# Altium PCB AD637.PcbDoc
Units mm, origin at the board's own origin, x right, y up, seen from the top; angles counter-clockwise.
Board outline 53 x 44 mm, 2 copper layers (Top Layer, Bottom Layer); 21 components, 13 nets, 60 pads, 11 vias.
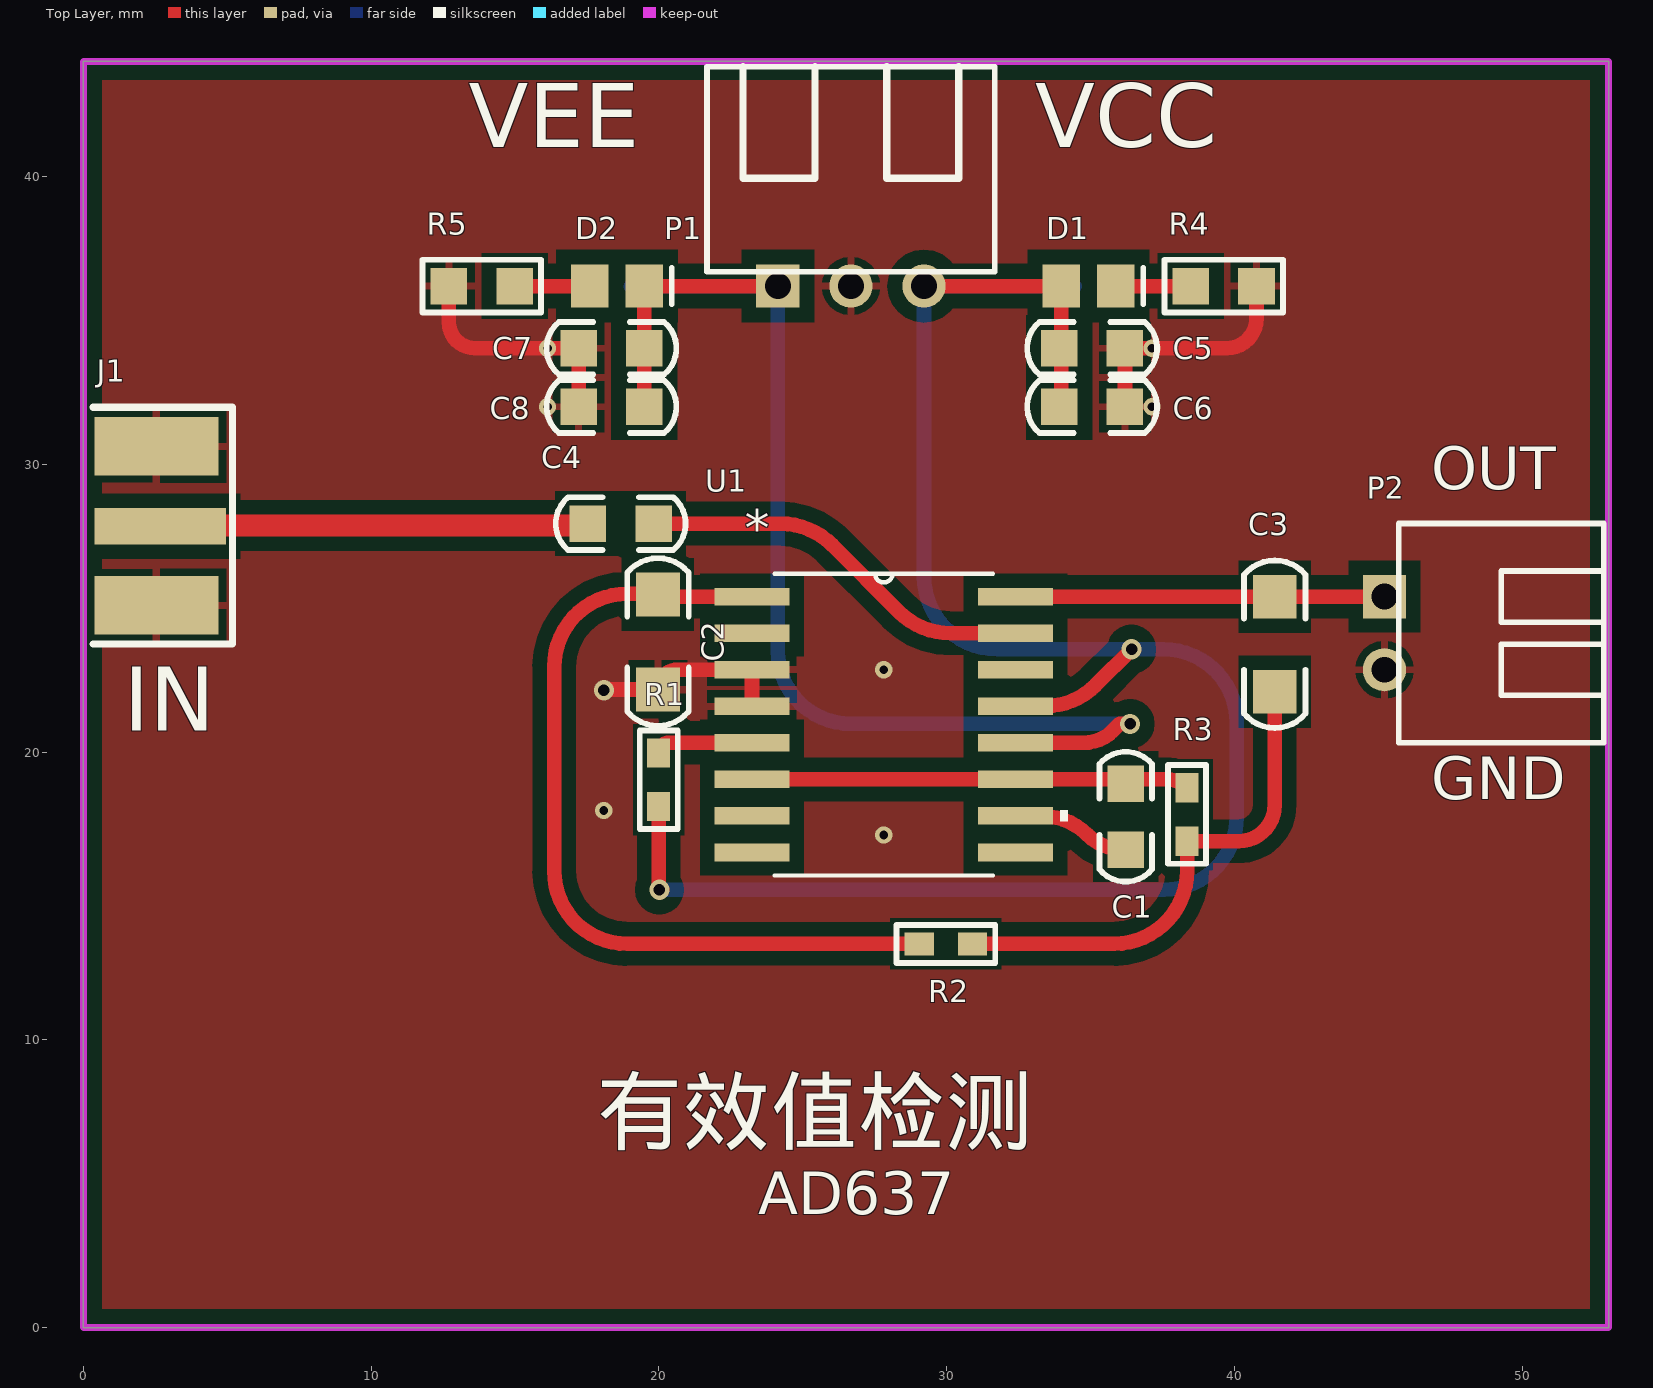
[diagram p0: Top Layer view]
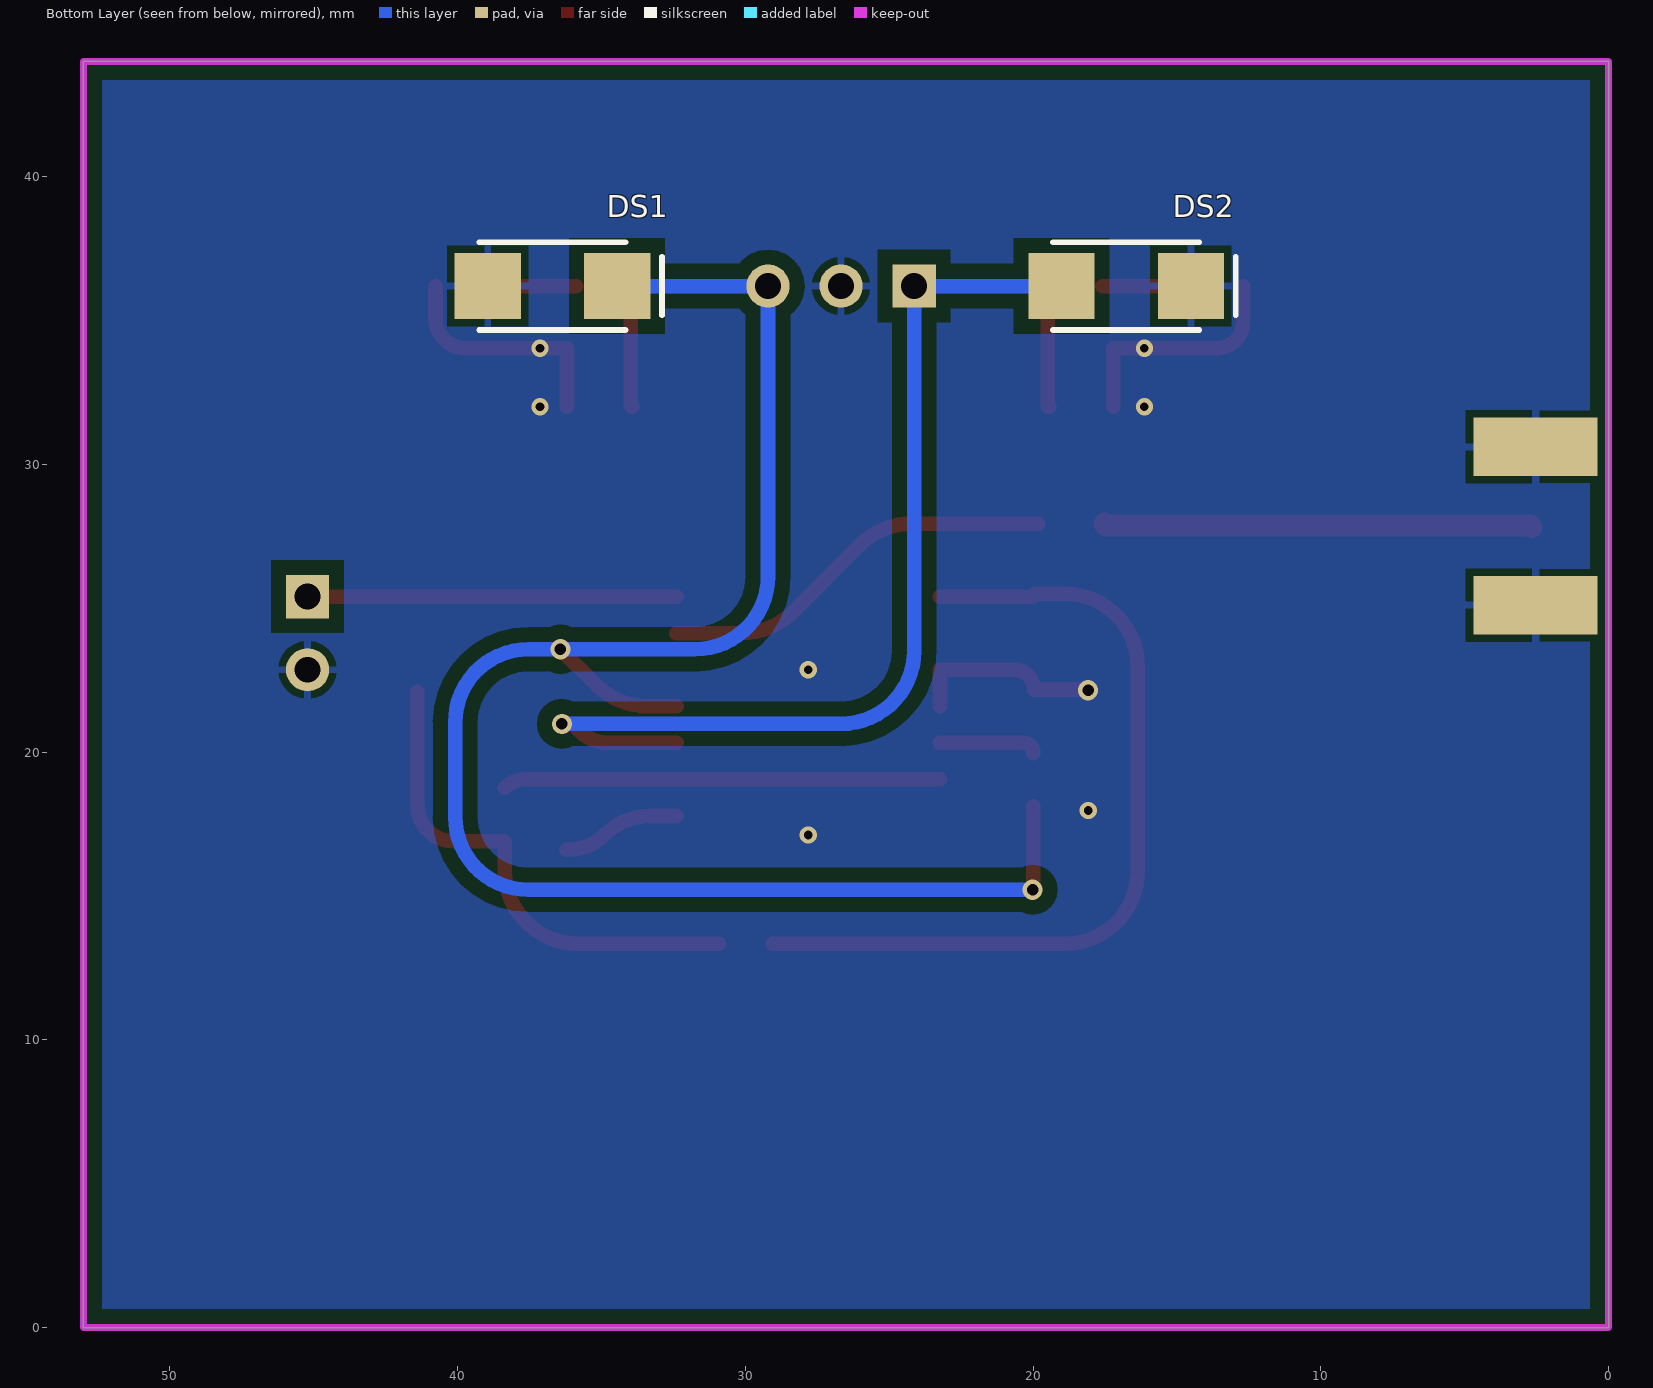
[diagram p1: Bottom Layer view, seen from below]
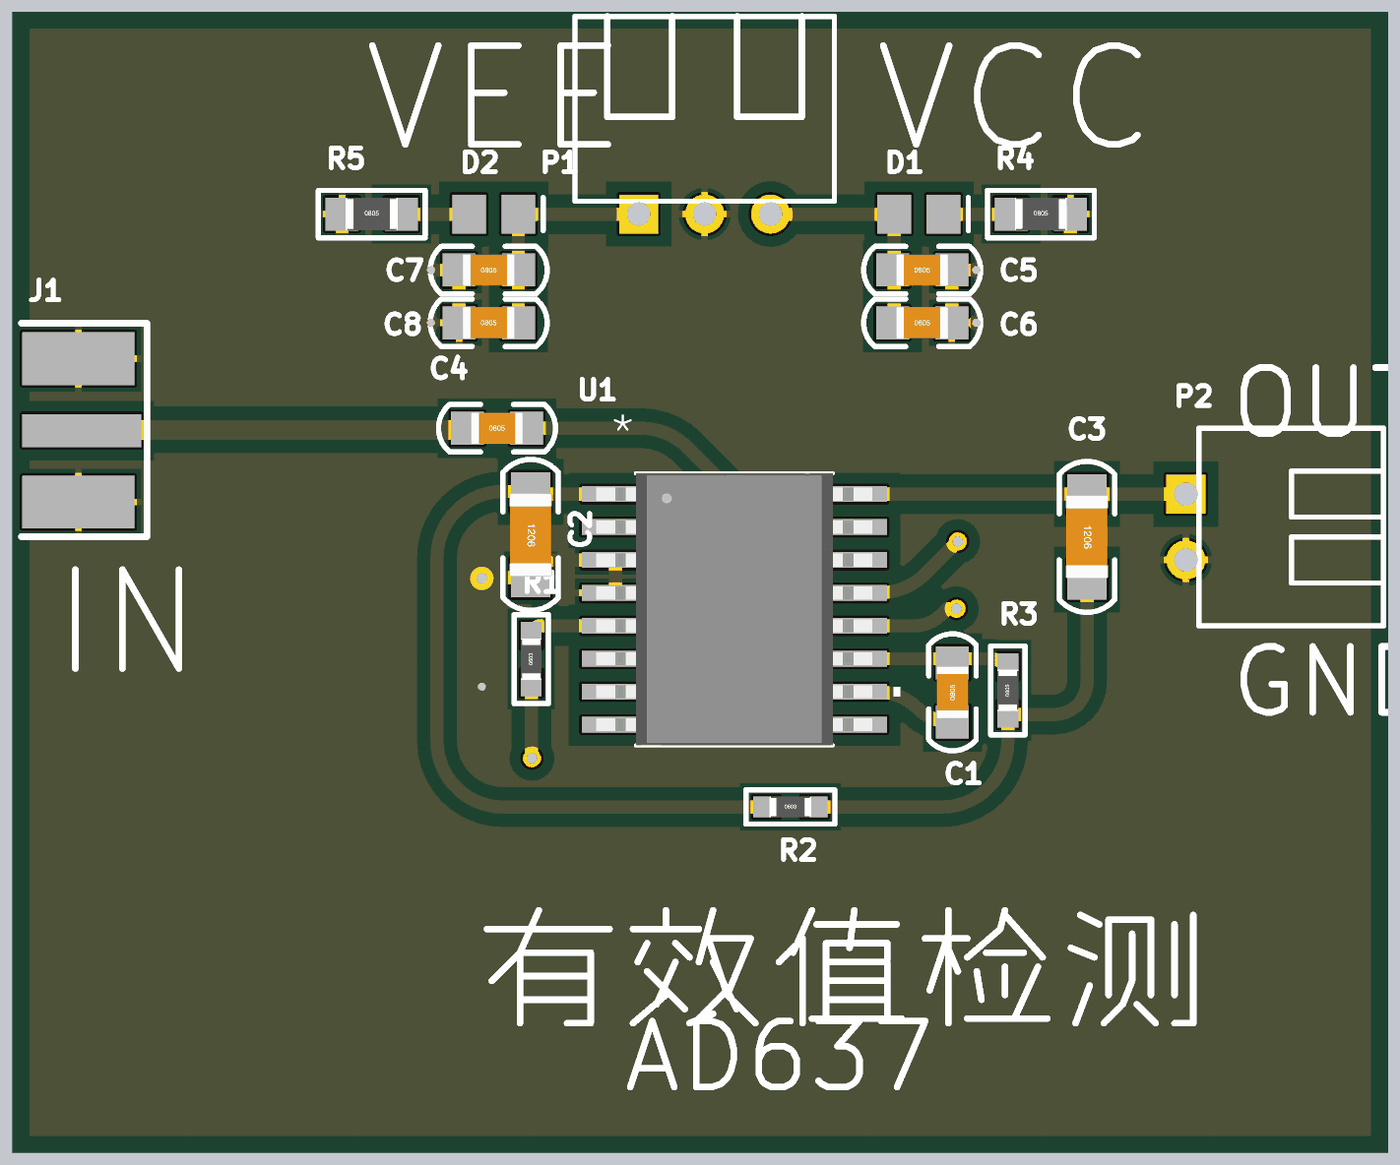
[diagram p2: 3D render of the assembled board from above, using the file's embedded part models]

## Layer stack, top to bottom
Top Solder: solder mask 0.0102, Solder Resist, Dk 3.5
Top Layer: signal copper 0.0356
Dielectric 1: dielectric 0.32, FR-4, Dk 4.8
Bottom Layer: signal copper 0.0356
Bottom Solder: solder mask 0.0102, Solder Resist, Dk 3.5

## Board outline
0,0 53,0 53,44 0,44

## Design rules (kind name [scope] priority, off if disabled: settings)
Clearance [All] p1: gap=0.254 ignorepadtopadclearanceinfootprint=FALSE except(0: Arc-Hole Track-Hole SMDPad-Hole THPad-Hole Via-Hole Fill-Hole Poly-Text Poly-Hole Region-Hole Text-Hole; 0.508: Arc-Poly Track-Poly SMDPad-Poly THPad-Poly Via-Poly Fill-Poly Poly-Poly)
MinimumSolderMaskSliver [All] p1: minsoldermaskwidth=0
PolygonConnect [All] p1: thpad.connectstyle=Relief thpad.reliefconductorwidth=0.254 thpad.reliefentries=4 thpad.polygonreliefangle="90 Angle" thpad.airgapwidth=0.254 smdpad.connectstyle=Relief smdpad.reliefconductorwidth=0.254 smdpad.reliefentries=4 smdpad.polygonreliefangle="90 Angle" smdpad.airgapwidth=0.254 via.connectstyle=Direct via.reliefconductorwidth=0.254 via.reliefentries=4 via.polygonreliefangle="90 Angle" via.airgapwidth=0.254
RoutingVias [All] p1: holewidth=0.711 width=1.778 viastyle="Through Hole" minholewidth=0.3 minwidth=0.6 maxholewidth=0.711 maxwidth=1.778
ShortCircuit [All] p1: allowed=TRUE
SilkToSilkClearance [All] p1: silktosilkclearance=0
SilkToSolderMaskClearance [IsPad] p1: minsilkscreentomaskgap=0 clearancetoexposedcopper=TRUE
SolderMaskExpansion [All] p1: expansion=0.102
Width [All] p1: maxlimit=2.54 minlimit=0.025 preferedwidth=0.508
26 further rules are at their usual default settings.

## Components (designator, comment, footprint, x,y, rotation, side; value= is the part's Value field where it differs from the comment)
C1 "104" "C 0805" 36.22,17.755 r90 top
C2 "104" "C 1206" 19.964,23.825 r270 top
C3 "104" "C 1206" 41.402,23.749 r270 top
C4 "104" "C 0805" 18.669,27.94 r0 top
C5 "1UF" "C 0805" 35.052,34.036 r0 top
C6 "104" "C 0805" 35.052,32.004 r0 top
C7 "1UF" "C 0805" 18.349,34.036 r0 top
C8 "104" "C 0805" 18.349,32.004 r0 top
D1 "LED" LED_0805 34.925,36.195 r0 top
D2 "LED" LED_0805 18.542,36.195 r0 top
DS1 "D Schottky" DIODE-SMA 36.703,36.195 r180 bottom
DS2 "D Schottky" DIODE-SMA 16.764,36.195 r180 bottom
J1 "COAX" MCX5.08-5-H 2.667,27.847 r0 top
P1 "Header 3" HDR3X1_B2 26.67,36.195 r0 top
P2 "Header 2" HDR2X1_B2 45.212,25.4 r270 top
R1 "4.7K" "R 0603" 19.99,19.037 r90 top
R2 "24K" "R 0603" 29.972,13.335 r0 top
R3 "24K" "R 0603" 38.354,17.831 r90 top
R4 "1K" "R 0805" 39.624,36.195 r0 top
R5 "1K" "R 0805" 13.843,36.195 r0 top
U1 "AD637JRZ" RW_16_M 27.813,20.955 r0 top

## Footprints (in the part's own frame and the unit in brackets; to place one, negate y for a bottom-side part, rotate by r counter-clockwise, add the part's x,y. Pads: shape width x height; smd on the part's side, far side on the other; paste and mask are expansions set on the pad)
"C 0805" [mil] "无极性贴片电容"
  rect 50x50 smd: 1(-45,0) 2(45,0)
  silkscreen extent -89,-36 89,36, body extent -39,-24 39,24, height 20
"C 1206" [mil] "无极性贴片电容"
  rect 60x60 smd: 1(-65,0) 2(65,0)
  silkscreen extent -115,-42 115,42, body extent -63,-32 63,32, height 48
DIODE-SMA [mm] "贴片二极管"
  rect 2.3x2.3 smd: 1(-2.25,0) 2(2.25,0)
  silkscreen extent -2.54,-1.52 3.81,1.52, body extent -2.92,-1.4 2.92,1.4, height 3
HDR2X1_B2 [mm] "Connector; Header; 4 Position"
  rect 1.5x1.5 hole 0.9: 1(0,0)
  round 1.5 hole 0.9: 2(2.54,0)
  silkscreen extent -2.54,0.5 5.08,7.62, body extent -2.54,0.38 5.08,7.62, height 5.5
HDR3X1_B2 [mm] "Connector; Header; 3 Position"
  rect 1.5x1.5 hole 0.9: 1(-2.54,0)
  round 1.5 hole 0.9: 2(0,0) 3(2.54,0)
  silkscreen extent -5,0.5 5,7.62, body extent -5,0.5 5,7.62, height 6
LED_0805 [mm] "贴片二极管"
  rect 1.3x1.5 smd: 1(-0.95,0) 2(0.95,0)
  silkscreen extent 1.91,-0.64 1.91,0.64
MCX5.08-5-H [mil]
  rect 180x50 smd: 1(0,0)
  rect 170x80 smd: 2(-5,109.25) 5(-5,-108.27)
  rect 170x80 smd far side: 3(-5,108.66) 4(-5,-107.87)
  silkscreen extent -92,-161 99,163, body extent -93,-132 80,134, height 39
"R 0603" [mil] "1/10W贴片电阻"
  rect 40x31.5 smd: 1(-36.5,0) 2(36.5,0)
  silkscreen extent -68,-26 68,26, body extent -31,-16 32,16, height 16
"R 0805" [mil] "1/8W贴片电阻"
  rect 50x50 smd: 1(-45,0) 2(45,0)
  silkscreen extent -81,-36 81,36, body extent -39,-25 39,25, height 20
RW_16_M [mil]
  rect 102.5x24 smd: 1(-180.25,175) 2(-180.25,125) 3(-180.25,75) 4(-180.25,25) 5(-180.25,-25) 6(-180.25,-75) 7(-180.25,-125) 8(-180.25,-175) 9(180.25,-175) 10(180.25,-125) 11(180.25,-75) 12(180.25,-25) 13(180.25,25) 14(180.25,75) 15(180.25,125) 16(180.25,175)
  silkscreen extent -150,-206 252,206, body extent -210,-206 210,206, height 104

## Part data
C1 C2 C3 C4 C5 C6 C7 C8: library part C, "无极性贴片电容"
D1 D2: "发光二极管", LatestRevisionDate=08-Jul-2005, LatestRevisionNote="Mech Layer 1 removed.", PackageReference=LED, Published=8-Jun-2000, Publisher="Altium Limited"
DS1 DS2: "Schottky Diode", Code_JEDEC=DO-214-AA, LatestRevisionDate=17-Jul-2002, LatestRevisionNote="Re-released for DXP Platform.", PackageDescription="DO-214-AA/SMB; 2 C-Bend Leads; Body 5.3 x 3.6 mm, inc. leads (LxW)", PackageReference=SMB, Published=8-Jun-2000, Publisher="Altium Limited"
P1 P2: "接插件", LatestRevisionDate=17-Jul-2002, LatestRevisionNote="Re-released for DXP Platform.", Publisher="Altium Limited"
R1 R2 R3 R4 R5: library part R, "贴片电阻"
U1: "High Precision, Wideband,RMS-to-DC Converter"

## Via types
v1: diameter 0.6, hole 0.3, Top Layer to Bottom Layer, tented both sides, 7 vias
v2: diameter 0.7, hole 0.4, Top Layer to Bottom Layer, 4 vias

## Nets (pads, with @x,y where several pads share a name; then routed paths per layer and width w, separated by ;. In a path a pad name is that pad's centre, name@x,y a point inside that pad or via, vN(x,y) a via of type N, cw(c..) or ccw(c..) an arc to the next point about the centre after c; other vN are vias at no path point)
GND: C2.2 C5.2 C6.2 C7.1 C8.1 DS1.1 DS2.2 J1.2 J1.3 J1.4 J1.5 P1.2 P2.2 R4.2 R5.1 U1.3 U1.4 | length 23.7
  Top Layer w0.508: R5.1 12.7,34.936 ccw(c13.6,34.936) 13.6,34.036 C7.1 C8.1 ; v2(18.085,22.149) 18.059,22.123 18.059,22.047 cw(c18.186,22.047) 18.186,22.174 C2.2 cw(c20.65,22.174) 20.65,22.86 U1.3 U1.4 ; C6.2 C5.2 39.732,34.036 ccw(c39.732,35.071) 40.767,35.071 R4.2
  other v1: 27.813,17.12 18.085,17.97 27.813,22.86 16.129,32.004 37.135,32.004 16.129,34.036 37.135,34.036
NetC1_1: C1.1 U1.10 | length 4.1
  Top Layer w0.508: U1.10 33.305,17.78 cw(c33.305,15.525) 34.9,17.12 ccw(c36.126,18.346) 36.126,16.612 C1.1
NetC1_2: C1.2 R3.2 U1.6 U1.11 | length 15.2
  Top Layer w0.508: U1.6 U1.11 37.649,19.05 cw(c37.649,18.053) R3.2
NetC2_1: C2.1 R2.1 U1.1 | length 29.5
  Top Layer w0.508: C2.1@19.914,25.502 18.898,25.502 ccw(c18.898,22.962) 16.358,22.962 16.358,15.875 ccw(c18.898,15.875) 18.898,13.335 R2.1 ; C2.1 ccw(c20.041,25.476) 20.041,25.4 U1.1
NetC3_1: C3.1 P2.1 U1.16 | length 12.8
  Top Layer w0.508: U1.16 P2.1
NetC3_2: C3.2 R2.2 R3.1 | length 17.6
  Top Layer w0.508: R2.2 35.814,13.335 ccw(c35.814,15.875) 38.354,15.875 R3.1 40.145,16.904 ccw(c40.145,18.161) 41.402,18.161 C3.2
NetC4_1: C4.1 J1.1 | length 14.9
  Top Layer w0.762: J1.1@2.667,27.813 2.73,27.877 17.462,27.877 C4.1
NetC4_2: C4.2 U1.15 | length 13.9
  Top Layer w0.508: C4.2 24.221,27.94 cw(c24.221,25.4) 26.017,27.196 28.339,24.874 ccw(c30.135,26.67) 30.135,24.13 U1.15
NetD1_2: D1.2 R4.1 | length 2.6
  Top Layer w0.508: D1.2 R4.1
NetD2_1: D2.1 R5.2 | length 2.6
  Top Layer w0.508: R5.2 D2.1
NetR1_2: R1.2 U1.5 | length 3.4
  Top Layer w0.508: R1.2 cw(c20.345,19.964) 20.345,20.32 U1.5
VCC: C5.1 C6.1 D1.1 DS1.2 P1.3 R1.1 U1.13 | length 70.7
  Top Layer w0.508: R1.1 19.99,15.342 ccw(c20.117,15.342) 20.117,15.215 v2(20.015,15.215) ; P1.3 D1.1 33.975,32.07 cw(c33.909,32.07) C6.1 ; U1.13 33.39,21.59 ccw(c33.39,24.13) 35.186,22.334 v2(36.424,23.571)
  Bottom Layer w0.508: v2(20.015,15.215) 37.541,15.215 ccw(c37.541,17.755) 40.081,17.755 40.081,21.031 ccw(c37.541,21.031) 37.541,23.571 v2(36.424,23.571) 31.75,23.571 cw(c31.75,26.111) 29.21,26.111 P1.3 DS1.2
VEE: C7.2 C8.2 D2.2 DS2.1 P1.1 U1.12 | length 44.6
  Top Layer w0.508: C8.2@19.431,32.004 ccw(c19.431,32.065) C8.2@19.492,32.065 ; C8.2 C7.2 D2.2 P1.1 ; U1.12 34.746,20.32 ccw(c34.746,21.794) 35.789,20.752 36.017,20.98 v2(36.373,20.98)
  Bottom Layer w0.508: DS2.1 P1.1 24.13,23.52 ccw(c26.67,23.52) 26.67,20.98 v2(36.373,20.98)
pads on no net: U1.2 U1.7 U1.8 U1.9 U1.14

## Polygon pours and split planes (outlines as drawn)
GND on Bottom Layer "Top Layer-No Net1" (solid, remove dead copper, pour order 1): 0,0 53,0 53,44 0,44
GND on Top Layer "Top Layer-No Net" (solid, remove dead copper, pour order 0): 0,0 53,0 53,44 0,44

## Keep-outs
Keep-Out Layer:
  the board outline again, w0.254

## Silkscreen, mask and mechanical layers (free items; w line width, h text height)
Top Overlay:
  text "VEE" at 13.386,40.284 h3.81
  text "VCC" at 33.071,40.284 h3.81
  text "OUT" at 46.838,28.651 h2.54
  text "IN" at 1.397,20.015 h3.81
  text "GND" at 46.838,17.882 h2.54
  text "有效值检测" at 17.805,5.715 h3.81
  text "AD637" at 23.444,3.454 h2.54

## Text inside footprints (layer, text, board x,y; h text height)
U1: Top Overlay "*" at 22.981,27.153 h1.27; Mechanical 13 "*" at 22.981,27.153 h1.27